# Allegro board AM335x_ICE_3H0013_PCB_REV_2_1A.brd
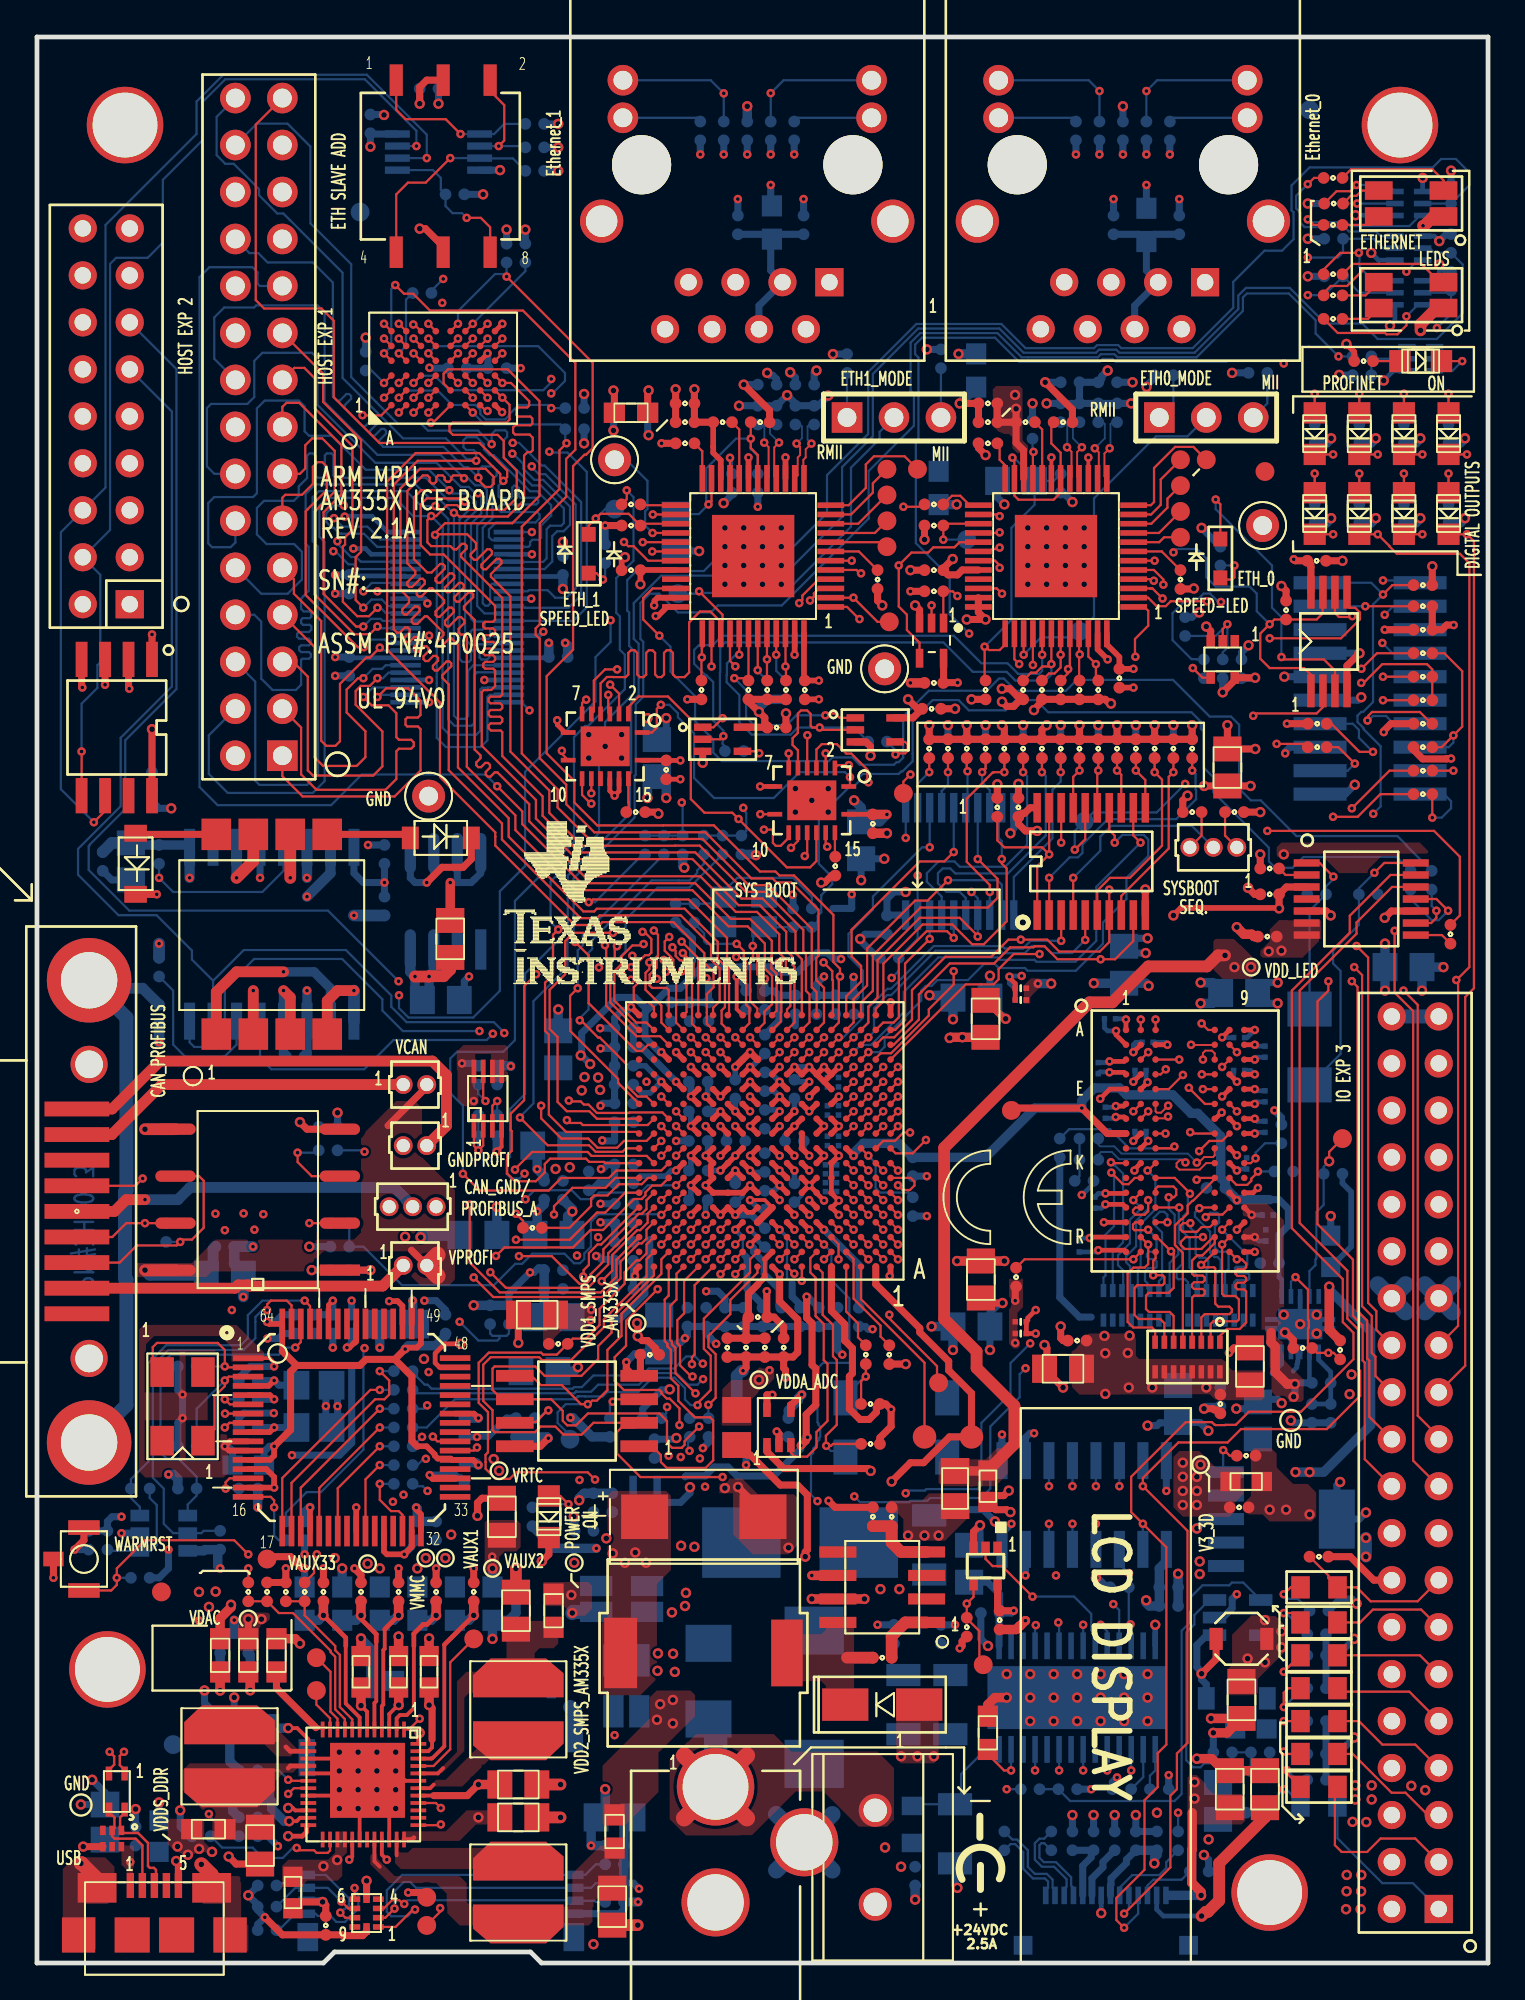
[diagram p0: board, top side]
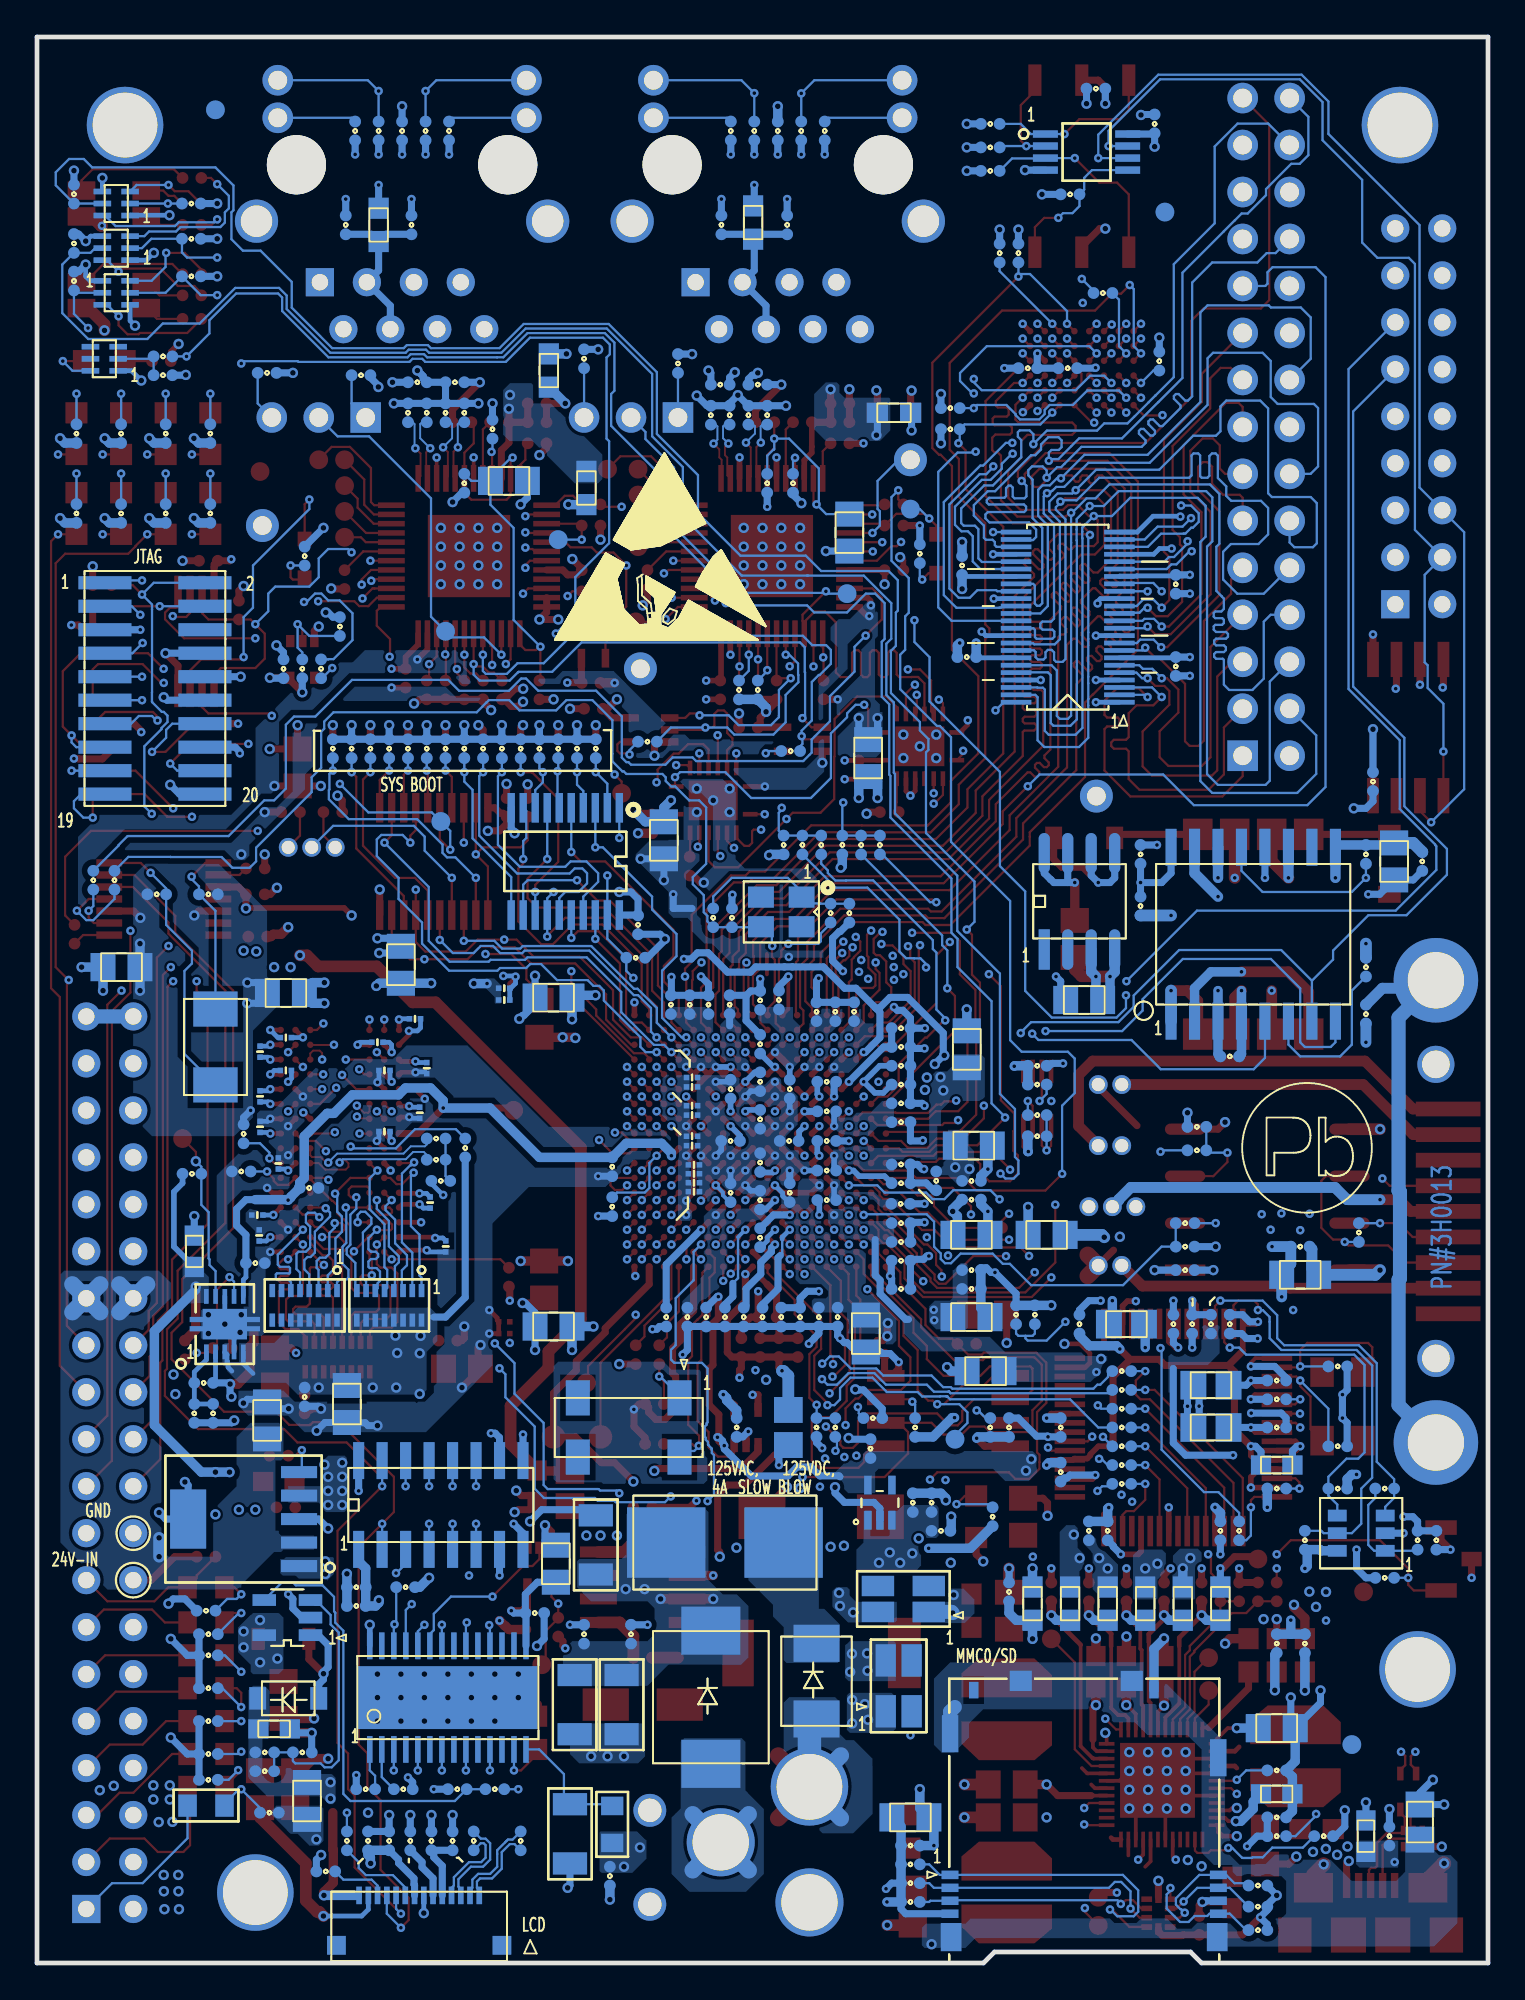
[diagram p1: board, bottom side, seen from below]

Outline 78.49 x 104.14 mm; copper layers: TOP, LYR2_GND, LYR3, LYR4, LYR5_PWR, BOTTOM. Coordinates in mm from the lower left corner of the outline.
Outline path: 0,104.14 0,0 15.49,0 16.09,0.6 26.7,0.6 27.29,0 78.49,0 78.49,104.14 0,104.14

## Design rules (mm)
net group C1: nets C1N C1P
net group C2: nets C2N C2P
net group MMC0_CLK: nets MMC0_CLK N28737675
net group PR_CLK: nets PR1_MDIO_MDCLK PR1_MII1_CLK
net group PRUETHER0_RD: nets PRUETHER0_RDN PRUETHER0_RDP
net group PRUETHER0_TD: nets PRUETHER0_TDN PRUETHER0_TDP
net group PRUETHER1_RD: nets PRUETHER1_RDN PRUETHER1_RDP
net group PRUETHER1_TD: nets PRUETHER1_TDN PRUETHER1_TDP
net group USB: nets USBDM USBDP
net group USB_FT: nets USBDM_FT USBDP_FT
net group 3W: nets CAN0_H CAN0_L PROFIBUS_A PROFIBUS_B SYS_RESETN UART0_RXD UART0_TXD UART1_RXD UART1_TXD UART3_RXD UART3_TXD
net group AIN: nets AIN1 AIN2 AIN3 AIN4 AIN5 AIN6 AIN7
net group CLK: nets AM335X_OSC0_IN AM335X_REFCLK_RMII1 AM335X_REFCLK_RMII2 ETH0_CLKIN ETH1_CLKIN MDIO_CLK OSC0_OUT OSC0_OUT1 OSC1_IN OSC1_OUT OSC1_OUT1 PRUETH0_RXCLK PRUETH0_TXCLK SPI0_SCLK SPI1_SCLK SYS_BOOT0 SYS_BOOT14 XTIN XTOUT
net group ETH_0: nets B_PRUETH0_LINKLED PRUETH0_ACTLED PRUETH0_COL PRUETH0_INT PRUETH0_JTCK PRUETH0_JTDI PRUETH0_JTDO PRUETH0_JTMS PRUETH0_JTRSTN PRUETH0_RESETN PRUETH0_RXERR PRUETH0_RXERR_COL PRUETH0_RXERR_COL_PROC PRUETH0_SPEEDLED PRUETH0_SWSTRAP
net group ETH_1: nets PRUETH1_ACTLED PRUETH1_COL PRUETH1_INTN PRUETH1_JTCK PRUETH1_JTDI PRUETH1_JTDO PRUETH1_JTMS PRUETH1_JTRSTN PRUETH1_RXD3 PRUETH1_RXDV PRUETH1_SPEEDLED PRUETH1_SWSTRAP PRUETH1_TXCLK PRUETH1_TXD0 PRUETH1_TXEN
net group GPMC_AD: nets GPMC_CSN0
net group PR1_MII0: nets PR1_MII0_RXLINK_SPEED PRUETH0_CRS PRUETH0_RXD0 PRUETH0_RXD1 PRUETH0_RXD2 PRUETH0_RXD3 PRUETH0_RXDV PRUETH0_TXD0 PRUETH0_TXD1 PRUETH0_TXD2 PRUETH0_TXD3 PRUETH0_TXEN SYS_BOOT1 SYS_BOOT2 SYS_BOOT3 SYS_BOOT4 SYS_BOOT5 SYS_BOOT6 SYS_BOOT7 SYS_BOOT8 SYS_BOOT9 SYS_BOOT10 SYS_BOOT11 SYS_BOOT12 SYS_BOOT13 SYS_BOOT15
net group PR1_MII1: nets PR1_MII1_COL_RMII2_CRS_DV PR1_MII1_CRS PRUETH1_LINKLED
net group PRUETH1_RXERR: nets PRUETH1_RXERR_COL
net group PWR: nets AGND_CAN AGND_PRUETH0 AGND_PRUETH1 AGNDFRAME_PRUETH0 AGNDFRAME_PRUETH1 BOOT CAN_GND/PROFIBUS_A CAP_VBB_MPU CAP_VDD_SRAM_CORE CAP_VDD_SRAM_MPU DDR_VREF GND_OSC0 GND_OSC1 GNDA_ADC GNDPROFI N17123334 N17123833 N21868977 N27955689 PROFI_GND PWR_SWIO PWR_VAUX1 PWR_VAUX2 PWR_VAUX33 PWR_VDAC PWR_VDD1_SMPS PWR_VDD2_SMPS PWR_VDDIO PWR_VDDS_DDR PWR_VDIG1 PWR_VDIG2 PWR_VMMC PWR_VPLL PWRON SENSE V3_3D_PROFIA V3_3D_PROFIB V3_3D_PRUETH0JCK V3_3D_PRUETH1JCK V5_0VOP VBAT_LCD VBREF VCOMH VDD_1V8FT VDD_FTREGIN VDD_FTVPHY VDD_FTVPLL VDD_RTC VDIG1 VPLL VPMIC_VRTC VPP VREFP_ADC
nets with their own width: min track width 0.305; nets VAUX1 VAUX33 VDD_LED VRTC

## Placement (name value [footprint] x y rotation side)
C1  0.01uF  [SM-7351-CAP-0402]  35.05 84.33 180 top
C2  0.01uF  [SM-7351-CAP-0402]  51.44 84.33 180 top
C3  0.01uF  [SM-7351-CAP-0402]  35.05 83.31 180 top
C4  0.1uF  [SM-7351-CAP-0402]  39.12 83.31 0 top
C5  0.01uF  [SM-7351-CAP-0402]  51.44 83.31 180 top
C6  0.1uF  [SM-7351-CAP-0402]  55.5 83.31 0 top
C7  0.1uF  [SM-7351-CAP-0402]  69.22 75.82 0 top
C8  0.01uF  [SM-7351-CAP-0402]  74.96 72.09 0 top
C9  0.01uF  [SM-7351-CAP-0402]  32.13 75.31 180 top
C10  0.01uF  [SM-7351-CAP-0402]  48.51 75.31 180 top
C11  0.01uF  [SM-7351-CAP-0402]  58.55 69.47 270 top
C12  0.01uF  [SM-7351-CAP-0402]  48.51 69.22 180 top
C13  0.1uF  [SM-7351-CAP-0402]  74.96 65.74 180 top
C14  0.1uF  [SM-7351-CAP-0402]  35.94 68.83 270 top
C15  0.01uF  [SM-7351-CAP-0402]  41.53 68.83 270 top
C16  0.1uF  [SM-7351-CAP-0402]  51.31 68.83 270 top
C17  0.1uF  [SM-7351-CAP-0402]  48.39 67.82 0 top
C18  0.1uF  [SM-7351-CAP-0402]  40.01 66.8 0 top
C19  0.1uF  [SM-7351-CAP-0402]  34.04 64.52 270 top
C20  0.1uF  [SM-7351-CAP-0402]  45.21 61.59 270 top
C21  0.1uF  [SM-7351-CAP-0402]  66.67 57.78 180 top
C22  0.1uF  [SM-7351-CAP-0402]  66.55 55.5 180 top
C23  10uF  [SM-7351-CAP-0805]  64.39 64.64 270 top
C24  4.7uF  [SM-7351-CAP-0805]  22.35 55.37 270 top
C25  0.1uF, 6.3V  [SMD0201]  53.21 52.7 0 top
C26  0.1uF, 6.3V  [SMD0201]  53.21 52.07 0 top
C27  10uF  [SM-7351-CAP-0805]  51.31 51.05 90 top
C28  10uF  [SM-7351-CAP-0805]  51.05 36.96 270 top
C29  10uF  [SM-7351-CAP-0805]  27.05 35.05 180 top
C30  0.1uF, 6.3V  [SMD0201]  53.21 34.67 0 top
C31  0.1uF, 6.3V  [SMD0201]  53.21 34.04 0 top
C32  0.1uF  [SM-7351-CAP-0402]  56.26 33.66 180 top
C33  0.001uF  [SM-7351-CAP-0402]  37.34 33.27 270 top
C34  0.01uF  [SM-7351-CAP-0402]  38.35 33.27 270 top
C35  0.01uF  [SM-7351-CAP-0402]  39.37 33.27 270 top
C36  0.01uF  [SM-7351-CAP-0402]  40.39 33.27 270 top
C37  0.01uF  [SM-7351-CAP-0402]  33.15 32.89 180 top
C38  10uF  [SM-7351-CAP-0805]  65.61 32.26 90 top
C39  10uF  [SM-7351-CAP-0805]  55.5 32.13 180 top
C40  22pF  [SM-7351-CAP-0402]  45.09 30.23 180 top
C41  0.1uF  [SM-7351-CAP-0402]  64.01 30.23 270 top
C42  22pF  [SM-7351-CAP-0402]  45.09 28.07 180 top
C43  0.01uF  [SM-7351-CAP-0402]  65.41 27.43 0 top
C44  4.7uF  [SM-7351-CAP-0603]  65.41 26.04 0 top
C45  4.7uF  [SM-7351-CAP-0603]  51.44 25.78 270 top
C46  0.01uF  [SM-7351-CAP-0402]  65.02 24.64 0 top
C47  10uF  [SM-7351-CAP-0805]  25.15 24.13 90 top
C48  47uF  [7343]  36.07 24.13 0 top
C49  2.2uF  [SM-7351-CAP-0402]  15.49 20.07 90 top
C50  2.2uF  [SM-7351-CAP-0402]  17.53 20.07 90 top
C51  2.2uF, 10V  [SM-7351-CAP-0402]  19.56 20.07 90 top
C52  2.2uF, 10V  [SM-7351-CAP-0402]  21.59 20.07 90 top
C53  2.2uF  [SM-7351-CAP-0402]  23.62 20.07 90 top
C54  10uF  [SM-7351-CAP-0805]  25.91 19.05 90 top
C55  0.1uF  [SM-7351-CAP-0402]  52.07 18.54 270 top
C56  0.01uF  [SM-7351-CAP-0402]  45.72 16.51 180 top
C57  4.7uF  [SM-7351-CAP-0603]  17.53 15.75 90 top
C58  4.7uF  [SM-7351-CAP-0603]  19.56 15.75 90 top
C59  4.7uF  [SM-7351-CAP-0603]  21.21 15.75 90 top
C60  2.2uF  [SM-7351-CAP-0805]  65.15 14.22 270 top
C61  10uF  [SM-7351-CAP-0805]  26.04 9.65 0 top
C62  2.2uF  [SM-7351-CAP-0805]  64.52 9.4 90 top
C63  2.2uF  [SM-7351-CAP-0805]  66.42 9.4 90 top
C64  10uF  [SM-7351-CAP-0805]  26.04 7.87 0 top
C65  10uF  [SM-7351-CAP-0805]  12.06 6.35 270 top
C66  4.7uF  [SM-7351-CAP-0603]  13.84 3.81 270 top
C67  10uF  [SM-7351-CAP-0805]  31.11 3.05 270 top
C68  0.01uF  [SM-7351-CAP-0402]  15.62 2.03 90 top
C69  0.01uF  [SM-7351-CAP-0402]  21.21 101.35 0 bottom
C70  0.1uF  [SM-7351-CAP-0402]  18.03 99.44 90 bottom
C71  0.1uF  [SM-7351-CAP-0402]  61.79 93.98 90 bottom
C72  0.1uF  [SM-7351-CAP-0402]  58.23 93.98 90 bottom
C73  0.1uF  [SM-7351-CAP-0402]  41.47 93.98 90 bottom
C74  0.1uF  [SM-7351-CAP-0402]  37.91 93.98 90 bottom
C75  0.1uF  [SM-7351-CAP-0402]  24.89 86.23 0 bottom
C76  1uF  [SM-7351-CAP-0402]  22.73 86.23 180 bottom
C77  0.1uF  [SM-7351-CAP-0402]  57.91 85.47 0 bottom
C78  0.1uF  [SM-7351-CAP-0402]  55.88 85.47 180 bottom
C79  0.1uF  [SM-7351-CAP-0402]  41.53 85.34 0 bottom
C80  0.1uF  [SM-7351-CAP-0402]  39.5 85.34 180 bottom
C81  10uF  [SM-7351-CAP-0805]  52.96 80.14 180 bottom
C82  0.1uF  [SM-7351-CAP-0402]  55.37 80.01 270 bottom
C83  0.1uF  [SM-7351-CAP-0402]  38.99 80.01 270 bottom
C84  10uF  [SM-7351-CAP-0805]  34.54 77.34 270 bottom
C85  0.1uF  [SM-7351-CAP-0402]  28.45 75.56 90 bottom
C86  0.1uF  [SM-7351-CAP-0402]  16.89 74.55 270 bottom
C87  0.1uF  [SM-7351-CAP-0402]  28.19 70.61 0 bottom
C88  0.1uF  [SM-7351-CAP-0402]  16.89 70.1 270 bottom
C89  18pF, 50V  [SM-7351-CAP-0402]  72.01 57.78 180 bottom
C90  18pF, 50V  [SM-7351-CAP-0402]  69.22 57.78 0 bottom
C91  0.1uF  [SM-7351-CAP-0402]  65.15 69.98 90 bottom
C92  10uF  [SM-7351-CAP-0805]  33.53 65.15 90 bottom
C93  0.1uF  [SM-7351-CAP-0402]  6.22 63.88 270 bottom
C94  10uF  [SM-7351-CAP-0805]  44.58 60.71 270 bottom
C95  10uF  [SM-7351-CAP-0805]  5.08 59.56 90 bottom
C96  0.1uF  [SM-7351-CAP-0402]  3.56 59.56 90 bottom
C97  2.2uF  [SM-7351-CAP-0805]  73.91 53.85 180 bottom
C98  0.01uF  [SM-7351-CAP-0402]  18.8 57.15 270 bottom
C99  24pF  [SM-7351-CAP-0402]  34.54 56.77 270 bottom
C100  24pF  [SM-7351-CAP-0402]  40.89 56.52 90 bottom
C101  10uF  [SM-7351-CAP-0805]  58.8 53.98 90 bottom
C102  10uF  [SM-7351-CAP-0805]  65.02 52.45 0 bottom
C103  0.1uF, 6.3V  [SMD0201]  53.21 52.7 0 bottom
C104  10uF  [SM-7351-CAP-0805]  50.55 52.2 0 bottom
C105  0.1uF, 6.3V  [SMD0201]  53.21 52.07 0 bottom
C106  0.01uF  [SM-7351-CAP-0402]  38.35 52.07 90 bottom
C107  10uF  [SM-7351-CAP-0805]  21.84 52.07 180 bottom
C108  0.01uF  [SM-7351-CAP-0402]  39.37 52.05 90 bottom
C109  0.01uF  [SM-7351-CAP-0402]  44.2 51.82 270 bottom
C110  0.01uF  [SM-7351-CAP-0402]  43.18 51.82 270 bottom
C111  0.01uF  [SM-7351-CAP-0402]  42.16 51.82 270 bottom
C112  0.01uF  [SM-7351-CAP-0402]  36.32 51.44 90 bottom
C113  0.01uF  [SM-7351-CAP-0402]  35.31 51.44 90 bottom
C114  0.01uF  [SM-7351-CAP-0402]  34.29 51.44 90 bottom
C115  0.1uF, 6.3V  [SMD0201]  58.04 51.05 180 bottom
C116  0.01uF  [SM-7351-CAP-0402]  31.75 50.55 180 bottom
C117  0.1uF, 6.3V  [SMD0201]  65.02 50.04 0 bottom
C118  0.1uF, 6.3V  [SMD0201]  60.07 49.78 0 bottom
C119  0.01uF  [SM-7351-CAP-0402]  39.37 49.68 270 bottom
C120  0.01uF  [SM-7351-CAP-0402]  31.75 49.53 180 bottom
C121  10uF  [SM-7351-CAP-0805]  28.19 49.4 270 bottom
C122  0.1uF, 6.3V  [SMD0201]  66.42 49.28 90 bottom
C123  0.01uF  [SM-7351-CAP-0402]  13.97 49.02 0 bottom
C124  0.01uF  [SM-7351-CAP-0402]  31.75 48.51 180 bottom
C125  0.01uF  [SM-7351-CAP-0402]  24.38 48.51 0 bottom
C126  0.1uF, 6.3V  [SMD0201]  57.4 48.39 270 bottom
C127  0.1uF, 6.3V  [SMD0201]  65.02 48.26 180 bottom
C128  0.1uF, 6.3V  [SMD0201]  59.69 48.26 0 bottom
C129  0.1uF, 6.3V  [SMD0201]  43.05 47.88 180 bottom
C130  0.01uF  [SM-7351-CAP-0402]  39.37 47.65 270 bottom
C131  0.01uF  [SM-7351-CAP-0402]  35.77 47.65 180 bottom
C132  0.01uF  [SM-7351-CAP-0402]  31.75 47.5 180 bottom
C133  0.1uF, 6.3V  [SMD0201]  43.05 47.37 180 bottom
C134  0.01uF  [SM-7351-CAP-0402]  40.97 47.25 90 bottom
C135  0.01uF  [SM-7351-CAP-0402]  37.77 47.25 270 bottom
C136  0.1uF, 6.3V  [SMD0201]  66.42 46.86 270 bottom
C137  0.01uF  [SM-7351-CAP-0402]  31.75 46.48 0 bottom
C138  0.1uF, 6.3V  [SMD0201]  43.05 46.35 180 bottom
C139  0.01uF  [SM-7351-CAP-0402]  35.77 46.05 0 bottom
C140  0.1uF, 6.3V  [SMD0201]  57.78 45.97 270 bottom
C141  0.1uF, 6.3V  [SMD0201]  43.05 45.85 180 bottom
C142  0.01uF  [SM-7351-CAP-0402]  39.37 45.62 270 bottom
C143  0.01uF  [SM-7351-CAP-0402]  31.75 45.47 0 bottom
C144  0.1uF, 6.3V  [SMD0201]  66.42 45.21 90 bottom
C145  100pF25V10%  [SM-7351-CAP-0402]  15.75 45.21 0 bottom
C146  0.1uF, 6.3V  [SMD0201]  59.69 44.96 0 bottom
C147  0.1uF, 6.3V  [SMD0201]  43.05 44.7 180 bottom
C148  0.01uF  [SM-7351-CAP-0402]  24.38 44.7 0 bottom
C149  0.01uF  [SM-7351-CAP-0402]  40.97 44.45 0 bottom
C150  0.01uF  [SM-7351-CAP-0402]  37.8 44.45 0 bottom
C151  0.01uF  [SM-7351-CAP-0402]  35.77 44.45 180 bottom
C152  0.01uF  [SM-7351-CAP-0402]  41.02 51.82 90 bottom
C153  0.1uF, 6.3V  [SMD0201]  43.05 44.2 180 bottom
C154  10uF  [SM-7351-CAP-0805]  27.81 44.2 180 bottom
C155  0.01uF  [SM-7351-CAP-0402]  39.37 43.28 90 bottom
C156  0.1uF, 6.3V  [SMD0201]  65.43 43.23 90 bottom
C157  0.01uF  [SM-7351-CAP-0402]  31.75 43.18 0 bottom
C158  0.1uF, 6.3V  [SMD0201]  42.95 43.16 180 bottom
C159  0.1uF  [SM-7351-CAP-0402]  47.37 43.05 270 bottom
C160  0.01uF  [SM-7351-CAP-0402]  35.77 42.85 180 bottom
C161  0.1uF, 6.3V  [SMD0201]  42.95 42.67 180 bottom
C162  0.1uF  [SM-7351-CAP-0402]  56.64 42.29 0 bottom
C163  0.01uF  [SM-7351-CAP-0402]  29.84 42.29 270 bottom
C164  0.01uF  [SM-7351-CAP-0402]  27.94 42.29 180 bottom
C165  0.1uF, 6.3V  [SMD0201]  42.95 42.19 180 bottom
C166  0.01uF  [SM-7351-CAP-0402]  31.75 42.16 180 bottom
C167  0.1uF  [SM-7351-CAP-0402]  63.77 41.91 180 bottom
C168  0.1uF, 6.3V  [SMD0201]  42.95 41.71 180 bottom
C169  0.01uF  [SM-7351-CAP-0402]  40.97 41.65 90 bottom
C170  0.01uF  [SM-7351-CAP-0402]  37.77 41.65 90 bottom
C171  0.01uF  [SM-7351-CAP-0402]  27.94 41.27 180 bottom
C172  0.01uF  [SM-7351-CAP-0402]  39.37 39.22 90 bottom
C173  0.01uF  [SM-7351-CAP-0402]  35.77 41.25 180 bottom
C174  0.1uF, 6.3V  [SMD0201]  57.22 41.12 90 bottom
C175  0.01uF  [SM-7351-CAP-0402]  31.77 41.05 0 bottom
C176  0.1uF, 6.3V  [SMD0201]  66.57 40.44 0 bottom
C177  0.01uF  [SM-7351-CAP-0402]  31.75 40.01 180 bottom
C178  10uF  [SM-7351-CAP-0805]  27.94 39.37 180 bottom
C179  10uF  [SM-7351-CAP-0805]  23.88 39.37 180 bottom
C180  0.1uF, 6.3V  [SMD0201]  66.47 39.34 90 bottom
C181  0.01uF  [SM-7351-CAP-0402]  39.37 41.25 90 bottom
C182  0.01uF  [SM-7351-CAP-0402]  31.75 38.99 180 bottom
C183  0.1uF, 6.3V  [SMD0201]  56.38 38.75 270 bottom
C184  100pF25V10%  [SM-7351-CAP-0402]  16.38 38.73 180 bottom
C185  0.1uF  [SM-7351-CAP-0402]  10.16 38.73 0 bottom
C186  4.7uF  [SM-7351-CAP-0603]  69.98 38.48 90 bottom
C187  0.01uF  [SM-7351-CAP-0402]  31.75 37.97 0 bottom
C188  0.1uF  [SM-7351-CAP-0402]  66.67 37.85 180 bottom
C189  0.01uF  [SM-7351-CAP-0402]  27.94 37.47 180 bottom
C190  0.01uF  [SM-7351-CAP-0402]  16.38 37.47 180 bottom
C191  4.7uF  [SM-7351-CAP-0805]  10.16 37.21 0 bottom
C192  0.01uF  [SM-7351-CAP-0402]  31.75 36.45 0 bottom
C193  0.01uF  [SM-7351-CAP-0402]  27.94 36.45 180 bottom
C194  0.01uF  [SM-7351-CAP-0402]  24.51 35.05 90 bottom
C195  1uF  [SM-7351-CAP-0402]  44.45 34.92 270 bottom
C196  0.01uF  [SM-7351-CAP-0402]  43.31 34.92 270 bottom
C197  0.01uF  [SM-7351-CAP-0402]  42.29 34.92 270 bottom
C198  1uF  [SM-7351-CAP-0402]  41.27 34.92 270 bottom
C199  1uF  [SM-7351-CAP-0402]  40.26 34.92 270 bottom
C200  1uF  [SM-7351-CAP-0402]  39.24 34.92 270 bottom
C201  0.01uF  [SM-7351-CAP-0402]  38.23 34.92 270 bottom
C202  0.01uF  [SM-7351-CAP-0402]  37.21 34.92 90 bottom
C203  0.01uF  [SM-7351-CAP-0402]  36.2 34.92 270 bottom
C204  0.01uF  [SM-7351-CAP-0402]  35.18 34.92 270 bottom
C205  10uF  [SM-7351-CAP-0805]  27.94 34.92 180 bottom
C206  0.1uF  [SM-7351-CAP-0402]  22.1 34.54 270 bottom
C207  0.1uF  [SM-7351-CAP-0402]  17.02 34.54 90 bottom
C208  0.1uF  [SM-7351-CAP-0402]  13.97 34.54 90 bottom
C209  10uF  [SM-7351-CAP-0805]  50.55 34.42 0 bottom
C210  10uF  [SM-7351-CAP-0805]  33.66 34.04 270 bottom
C211  18pF, 50V  [SM-7351-CAP-0402]  8.13 32.26 0 bottom
C212  10uF  [SM-7351-CAP-0805]  27.18 32 0 bottom
C213  0.1uF  [SM-7351-CAP-0402]  11.43 31.5 0 bottom
C214  0.1uF  [SM-7351-CAP-0402]  64.01 30.61 270 bottom
C215  10uF  [SM-7351-CAP-0805]  61.72 30.23 270 bottom
C216  0.001uF  [SM-7351-CAP-0402]  69.98 29.72 270 bottom
C217  2.2uF  [SM-7351-CAP-0805]  66.04 29.34 90 bottom
C218  0.01uF  [SM-7351-CAP-0402]  40.64 28.96 270 bottom
C219  0.01uF  [SM-7351-CAP-0402]  25.91 28.96 90 bottom
C220  0.1uF  [SM-7351-CAP-0402]  23.11 28.96 270 bottom
C221  0.1uF  [SM-7351-CAP-0402]  11.43 28.96 0 bottom
C222  18pF, 50V  [SM-7351-CAP-0402]  8.13 27.94 0 bottom
C223  1uF  [SM-7351-CAP-0402]  33.4 27.81 90 bottom
C224  4.7uF  [SM-7351-CAP-0603]  11.43 26.92 180 bottom
C225  0.1uF  [SM-7351-CAP-0402]  23.11 26.54 90 bottom
C226  1uF  [SM-7351-CAP-0402]  31.11 24.89 90 bottom
C227  0.1uF  [SM-7351-CAP-0402]  30.1 24.89 90 bottom
C228  1uF  [SM-7351-CAP-0402]  29.59 23.37 180 bottom
C229  0.01uF  [SM-7351-CAP-0402]  21.59 23.37 270 bottom
C230  0.1uF  [SM-7351-CAP-0402]  20.57 23.37 90 bottom
C231  0.1uF  [SM-7351-CAP-0402]  14.48 23.37 270 bottom
C232  0.1uF  [SM-7351-CAP-0402]  2.79 22.86 90 bottom
C233  10uF  [SM-7351-CAP-1206]  48.26 22.61 270 bottom
C234  2.2uF  [SM-7351-CAP-0805]  50.42 21.59 90 bottom
C235  1uF  [SM-7351-CAP-0402]  5.59 20.83 0 bottom
C236  0.01uF  [SM-7351-CAP-0402]  61.21 20.32 0 bottom
C237  2.2uF, 10V  [SM-7351-CAP-0402]  25.91 20.07 90 bottom
C238  1uF  [SM-7351-CAP-0402]  61.21 19.3 0 bottom
C239  0.022uF  [SM-7351-CAP-0402]  69.34 19.05 0 bottom
C240  0.01uF  [SM-7351-CAP-0402]  51.56 18.92 180 bottom
C241  0.022uF  [SM-7351-CAP-0402]  69.22 17.78 0 bottom
C242  0.1uF  [SM-7351-CAP-0402]  48.9 17.78 90 bottom
C243  0.1uF  [SM-7351-CAP-0402]  46.35 17.78 90 bottom
C244  2.2uF  [SM-7351-CAP-0402]  11.43 17.27 90 bottom
C245  2.2uF  [SM-7351-CAP-0402]  9.91 17.27 90 bottom
C246  0.022uF  [SM-7351-CAP-0402]  69.22 16.64 0 bottom
C247  0.022uF  [SM-7351-CAP-0402]  69.22 14.86 0 bottom
C248  10uF  [SM-7351-CAP-1206]  49.4 13.97 90 bottom
C249  10uF  [SM-7351-CAP-1206]  46.86 13.97 90 bottom
C250  0.022uF  [SM-7351-CAP-0402]  69.22 13.08 0 bottom
C251  10uF  [SM-7351-CAP-0805]  11.43 12.7 180 bottom
C252  1uF  [SM-7351-CAP-0603]  65.66 12.66 180 bottom
C253  0.022uF  [SM-7351-CAP-0402]  69.22 11.3 0 bottom
C254  0.01uF  [SM-7351-CAP-0402]  11.43 10.41 180 bottom
C255  10pF  [SM-7351-CAP-0402]  66.17 10.37 180 bottom
C256  0.022uF  [SM-7351-CAP-0402]  69.22 9.91 0 bottom
C257  4.7uF  [SM-7351-CAP-0603]  11.43 9.14 180 bottom
C258  2.2uF  [SM-7351-CAP-0805]  63.88 8.76 270 bottom
C259  0.022uF  [SM-7351-CAP-0402]  65.91 8.13 180 bottom
C260  10uF  [SM-7351-CAP-0805]  31.24 7.87 180 bottom
C261  2.2uF  [SM-7351-CAP-0402]  11.43 7.87 180 bottom
C262  10uF  [SM-7351-CAP-1206]  49.66 6.99 90 bottom
C263  4.7uF  [SM-7351-CAP-0603]  6.6 6.86 90 bottom
C264  0.01uF  [SM-7351-CAP-0402]  5.33 6.86 90 bottom
C265  0.1uF  [SM-7351-CAP-0402]  60.58 6.6 90 bottom
C266  1uF  [SM-7351-CAP-0402]  59.44 6.6 90 bottom
C267  0.022uF  [SM-7351-CAP-0402]  58.29 6.6 90 bottom
C268  1uF  [SM-7351-CAP-0402]  57.15 6.6 90 bottom
C269  0.1uF  [SM-7351-CAP-0402]  56.01 6.6 90 bottom
C270  1uF  [SM-7351-CAP-0402]  54.86 6.6 270 bottom
C271  1uF  [SM-7351-CAP-0402]  52.32 6.6 90 bottom
C272  0.1uF  [SM-7351-CAP-0402]  31.24 6.35 180 bottom
C273  0.001uF  [SM-7351-CAP-0402]  47.5 4.7 270 bottom
C275  0.01uF  [SM-7351-CAP-0402]  45.97 56.13 270 bottom
C277  0.01uF  [SM-7351-CAP-0402]  53.09 62.48 90 top
D1  Red_Green_Yellow_LED  [LED-SM1210]  74.33 95.14 180 top
D2  Red_Green_Yellow_LED  [LED-SM1210]  74.33 90.18 180 top
D3  Green LED  [SM_LED_0805]  74.84 86.62 0 top
D4  LED Yellow  [LEDLTST-S220]  64.01 75.95 270 top
D5  LED Yellow  [LEDLTST-S220]  29.84 76.2 270 top
D6  Green LED  [SM_LED_0805]  69.11 78.38 270 top
D7  Green LED  [SM_LED_0805]  71.52 78.38 270 top
D8  Green LED  [SM_LED_0805]  73.94 78.38 270 top
D9  Green LED  [SM_LED_0805]  76.35 78.38 270 top
D10  Green LED  [SM_LED_0805]  69.11 82.69 270 top
D11  MBR0520LT1  [MBR0520L]  21.84 60.83 0 top
D12  Green LED  [SM_LED_0805]  71.52 82.69 270 top
D13  MBR0520LT1  [MBR0520L]  5.33 59.44 270 top
D14  Green LED  [SM_LED_0805]  73.94 82.69 270 top
D15  Green LED  [SM_LED_0805]  76.35 82.69 270 top
D16  Green LED  [SM_LED_0805]  27.69 24.13 270 top
D17  B340A-13-F  [DO157LS_116X220SMA]  45.72 13.97 0 top
D18  -  [MBRS140T]  36.32 15.24 270 bottom
D19  SMCJ26CA  [SMCJ36CA]  42.04 14.37 270 bottom
D20  MBR0520LT1  [MBR0520L]  64.9 14.31 0 bottom
F1  Fuse 4A  [SMDFUSEBLK]  41.27 22.73 0 bottom
FB2  150OHM800mA  [SM-7351-IND-0805]  37.85 28.96 270 top
FB3  150OHM800mA  [SM-7351-IND-0805]  49.66 25.65 270 top
FB9  150OHM800mA  [SM-7351-IND-0805]  19.56 34.54 0 bottom
FB10  150OHM800mA  [SM-7351-IND-0805]  14.99 31.24 180 bottom
FB11  150OHM800mA  [SM-7351-IND-0805]  37.85 28.96 270 bottom
FB12  150OHM800mA  [SM-7351-IND-0805]  14.99 28.96 180 bottom
FB13  150OHM800mA  [SM-7351-IND-0805]  3.68 7.62 270 bottom
J1  RJ-45 10_100Mb  [CNRJ45-1X1WLED]  42.86 90.88 180 top
J2  RJ-45 10_100Mb  [CNRJ45-1X1WLED]  63.18 90.88 180 top
J3  Header 9x2 Female  [HDR2X9VER_335M]  5.02 73.47 90 top
J4  Header 15x2 Female  [HDR2X15-344M]  13.27 65.28 90 top
J5  TMS-103-01  [SIP3_50LS]  62.36 60.33 90 top
J6  TMS-102-01  [SIP2_50LS]  19.81 47.5 90 top
J7  TMS-102-01  [SIP2_50LS]  21.08 44.2 270 top
J8  TMS-103-01  [SIP3_50LS]  21.59 40.89 270 top
J9  Conn_DB9F  [NORCOMP_DB9F_SMD]  2.16 40.64 90 top
J10  TMS-102-01  [SIP2_50LS]  19.81 37.72 90 top
J11  Power Jack RAPC722X  [CNRAPC722]  36.7 9.53 0 top